# Altium PCB Module Board - OLD.PcbDoc (part 1 of 4) (continued)
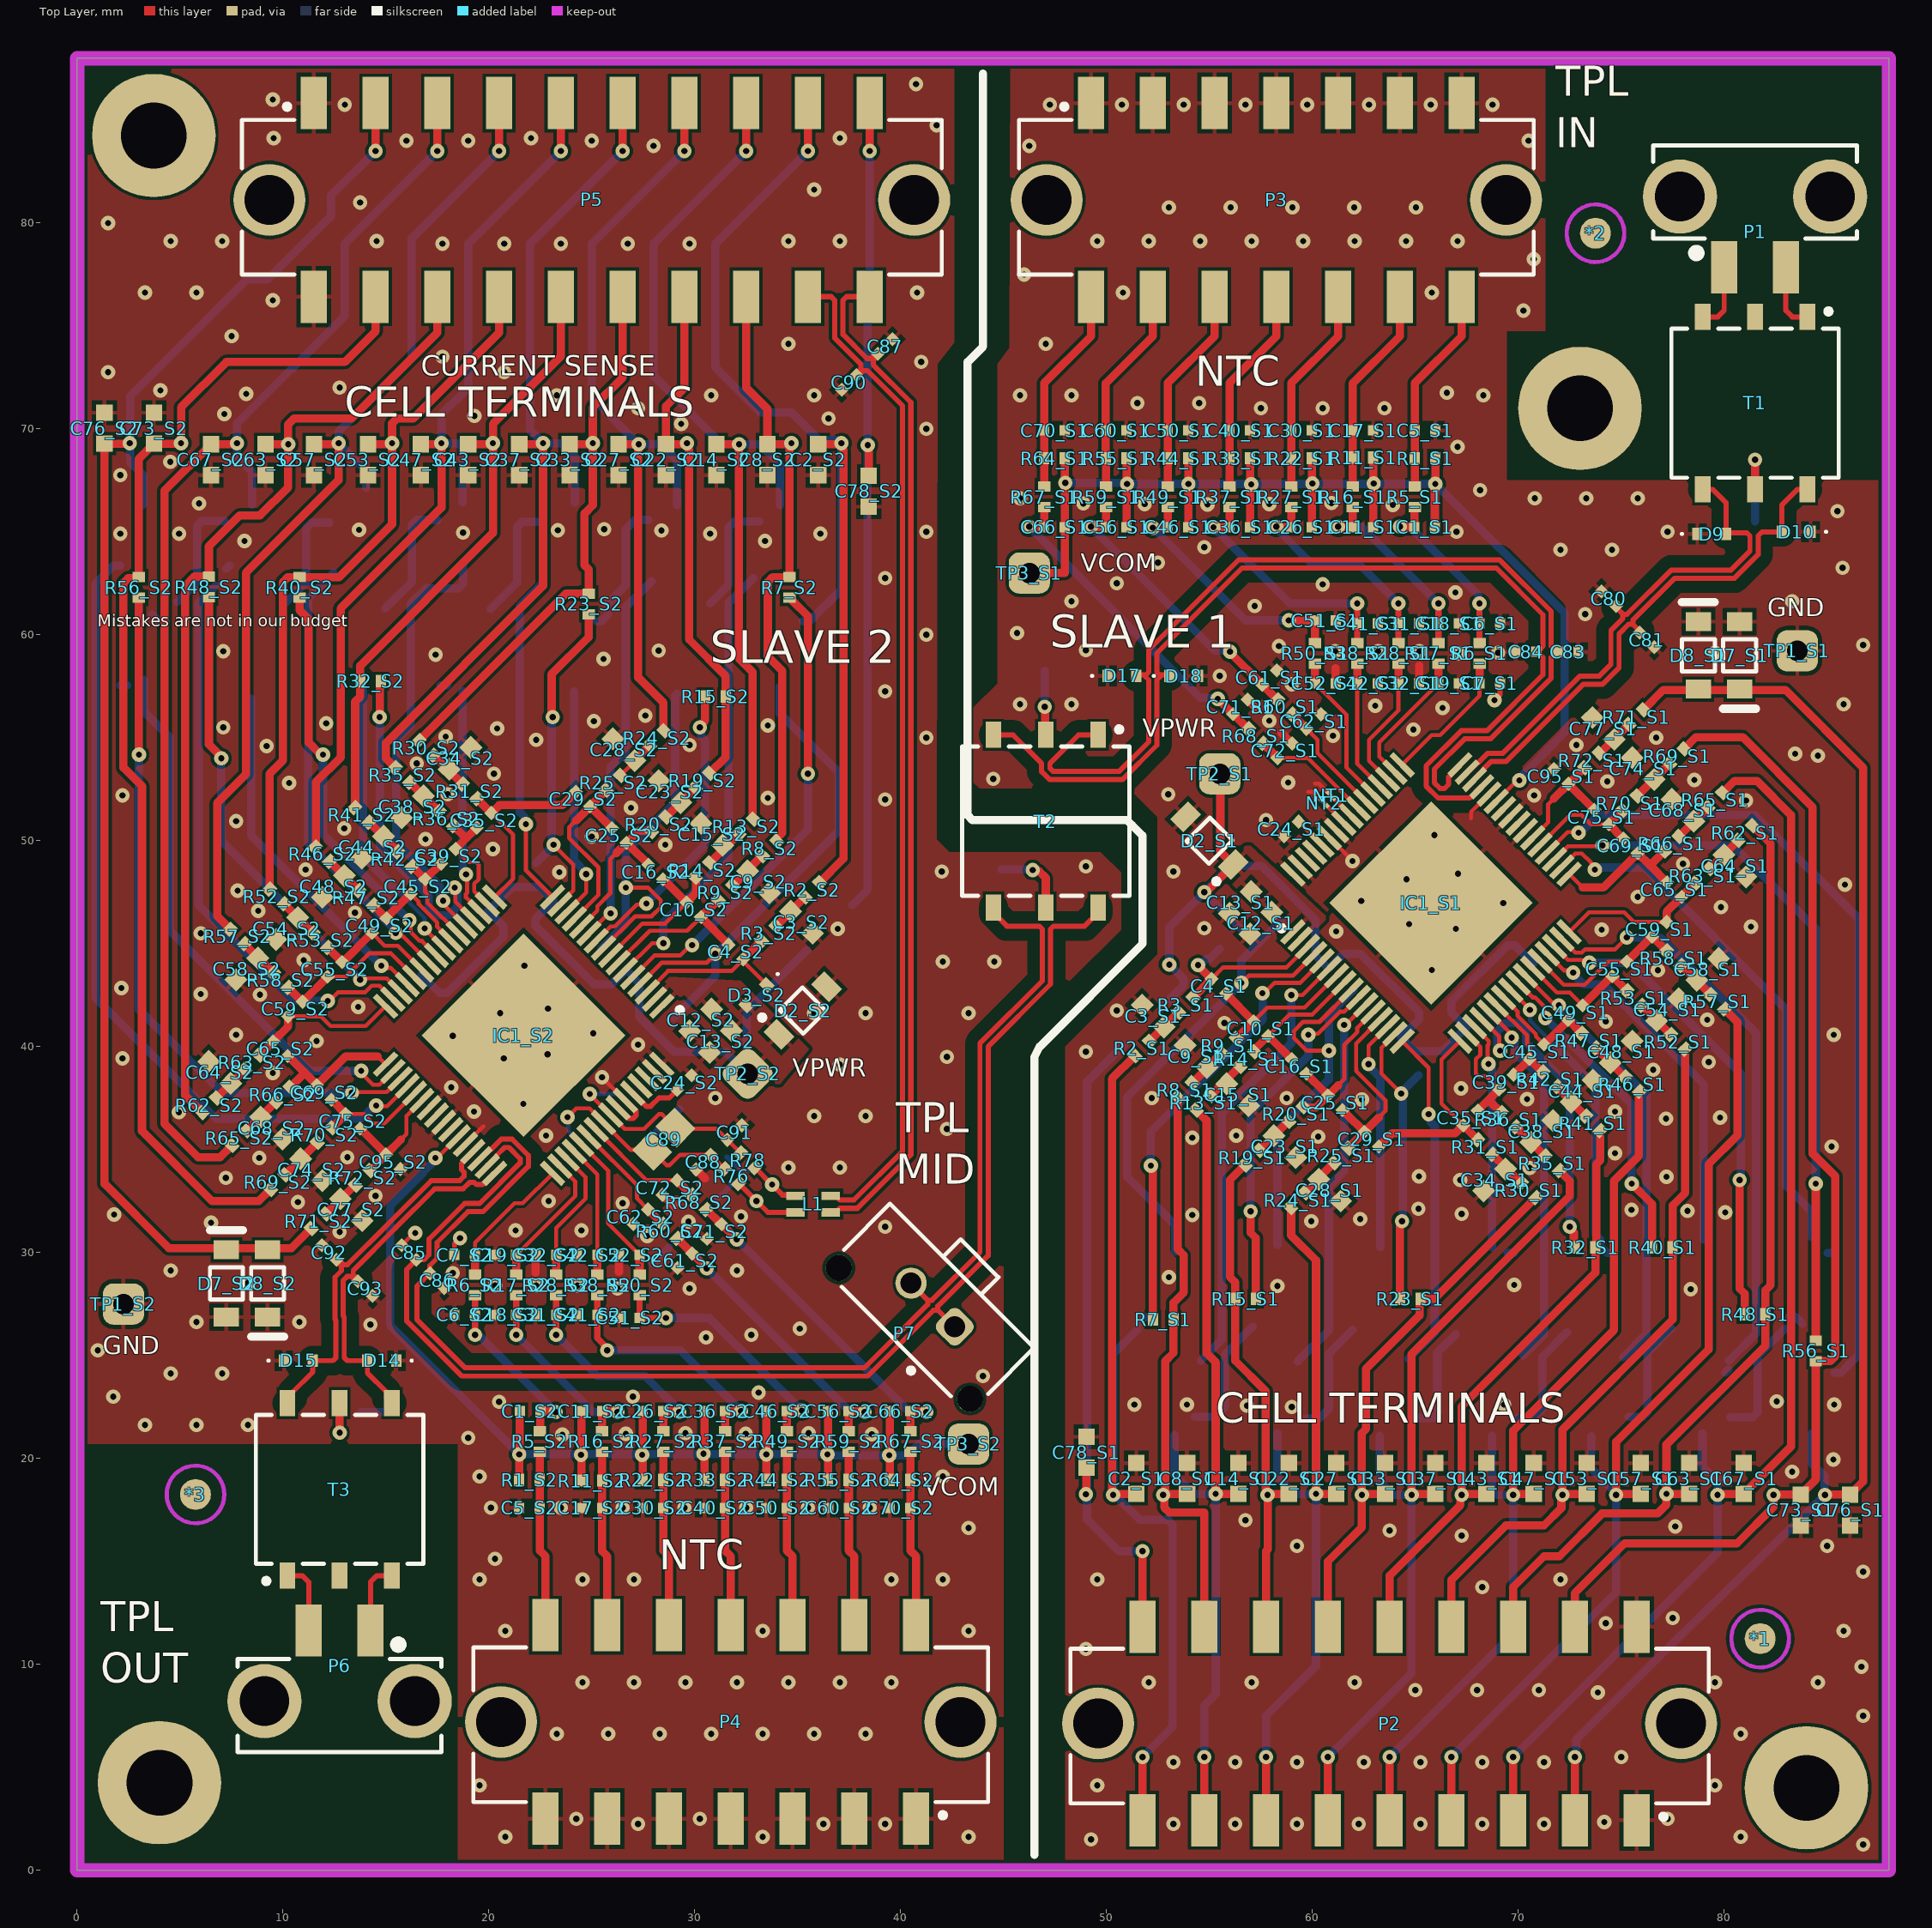
[diagram p0: Top Layer view]
## Components (designator, comment, footprint, x,y, rotation, side; value= is the part's Value field where it differs from the comment) (continued)
C35_S2 "CAP 0402 10nF X7R" WCAP-CSGP_0402_L1W0.5H0.5 19.771,50.988 r45 top value=10nF (schematic designator C35)
C36_S1 "CAP 0402 1.2nF X7R" WCAP-CSGP_0402_L1W0.5H0.5 56.475,65.225 r0 top value=1.2nF (schematic designator C36)
C36_S2 "CAP 0402 1.2nF X7R" WCAP-CSGP_0402_L1W0.5H0.5 30.975,22.3 r180 top value=1.2nF (schematic designator C36)
C37_S1 "CAP 0603 47nF X7R" WCAP-CSGP_0603_L1.6W0.8H0.8_Reflow 65.975,19.025 r270 top value=47nF (schematic designator C37)
C37_S2 "CAP 0603 47nF X7R" WCAP-CSGP_0603_L1.6W0.8H0.8_Reflow 21.475,68.5 r90 top value=47nF (schematic designator C37)
C38_S1 "CAP 0603 100nF X7R" WCAP-CSGP_0603_L1.6W0.8H0.8_Reflow 71.154,35.882 r225 top value=100nF (schematic designator C38)
C38_S2 "CAP 0603 100nF X7R" WCAP-CSGP_0603_L1.6W0.8H0.8_Reflow 16.296,51.643 r45 top value=100nF (schematic designator C38)
C39_S1 "CAP 0402 10nF X7R" WCAP-CSGP_0402_L1W0.5H0.5 69.421,38.279 r225 top value=10nF (schematic designator C39)
C39_S2 "CAP 0402 10nF X7R" WCAP-CSGP_0402_L1W0.5H0.5 18.029,49.246 r45 top value=10nF (schematic designator C39)
C40_S1 "CAP 0402 1.2nF X7R" WCAP-CSGP_0402_L1W0.5H0.5 56.475,69.925 r180 top value=1.2nF (schematic designator C40)
C40_S2 "CAP 0402 1.2nF X7R" WCAP-CSGP_0402_L1W0.5H0.5 30.975,17.6 r0 top value=1.2nF (schematic designator C40)
C41_S1 "CAP 0402 1.2nF X7R" WCAP-CSGP_0402_L1W0.5H0.5 62.681,60.55 r180 top value=1.2nF (schematic designator C41)
C41_S2 "CAP 0402 1.2nF X7R" WCAP-CSGP_0402_L1W0.5H0.5 24.769,26.975 r0 top value=1.2nF (schematic designator C41)
C42_S1 "CAP 0402 1.2nF X7R" WCAP-CSGP_0402_L1W0.5H0.5 62.681,57.646 r180 top value=1.2nF (schematic designator C42)
C42_S2 "CAP 0402 1.2nF X7R" WCAP-CSGP_0402_L1W0.5H0.5 24.769,29.879 r0 top value=1.2nF (schematic designator C42)
C43_S1 "CAP 0603 47nF X7R" WCAP-CSGP_0603_L1.6W0.8H0.8_Reflow 68.45,19.025 r270 top value=47nF (schematic designator C43)
C43_S2 "CAP 0603 47nF X7R" WCAP-CSGP_0603_L1.6W0.8H0.8_Reflow 19,68.5 r90 top value=47nF (schematic designator C43)
C44_S1 "CAP 0603 100nF X7R" WCAP-CSGP_0603_L1.6W0.8H0.8_Reflow 73.098,37.84 r225 top value=100nF (schematic designator C44)
C44_S2 "CAP 0603 100nF X7R" WCAP-CSGP_0603_L1.6W0.8H0.8_Reflow 14.352,49.685 r45 top value=100nF (schematic designator C44)
C45_S1 "CAP 0402 10nF X7R" WCAP-CSGP_0402_L1W0.5H0.5 70.9,39.75 r225 top value=10nF (schematic designator C45)
C45_S2 "CAP 0402 10nF X7R" WCAP-CSGP_0402_L1W0.5H0.5 16.55,47.775 r45 top value=10nF (schematic designator C45)
C46_S1 "CAP 0402 1.2nF X7R" WCAP-CSGP_0402_L1W0.5H0.5 53.475,65.225 r0 top value=1.2nF (schematic designator C46)
C46_S2 "CAP 0402 1.2nF X7R" WCAP-CSGP_0402_L1W0.5H0.5 33.975,22.3 r180 top value=1.2nF (schematic designator C46)
C47_S1 "CAP 0603 47nF X7R" WCAP-CSGP_0603_L1.6W0.8H0.8_Reflow 70.75,19.025 r270 top value=47nF (schematic designator C47)
C47_S2 "CAP 0603 47nF X7R" WCAP-CSGP_0603_L1.6W0.8H0.8_Reflow 16.7,68.5 r90 top value=47nF (schematic designator C47)
C48_S1 "CAP 0603 100nF X7R" WCAP-CSGP_0603_L1.6W0.8H0.8_Reflow 75.002,39.742 r225 top value=100nF (schematic designator C48)
C48_S2 "CAP 0603 100nF X7R" WCAP-CSGP_0603_L1.6W0.8H0.8_Reflow 12.448,47.783 r45 top value=100nF (schematic designator C48)
C49_S1 "CAP 0402 10nF X7R" WCAP-CSGP_0402_L1W0.5H0.5 72.775,41.65 r225 top value=10nF (schematic designator C49)
C49_S2 "CAP 0402 10nF X7R" WCAP-CSGP_0402_L1W0.5H0.5 14.675,45.875 r45 top value=10nF (schematic designator C49)
C50_S1 "CAP 0402 1.2nF X7R" WCAP-CSGP_0402_L1W0.5H0.5 53.475,69.925 r180 top value=1.2nF (schematic designator C50)
C50_S2 "CAP 0402 1.2nF X7R" WCAP-CSGP_0402_L1W0.5H0.5 33.975,17.6 r0 top value=1.2nF (schematic designator C50)
C51_S1 "CAP 0402 1.2nF X7R" WCAP-CSGP_0402_L1W0.5H0.5 60.629,60.697 r180 top value=1.2nF (schematic designator C51)
C51_S2 "CAP 0402 1.2nF X7R" WCAP-CSGP_0402_L1W0.5H0.5 26.821,26.828 r0 top value=1.2nF (schematic designator C51)
C52_S1 "CAP 0402 1.2nF X7R" WCAP-CSGP_0402_L1W0.5H0.5 60.629,57.648 r180 top value=1.2nF (schematic designator C52)
C52_S2 "CAP 0402 1.2nF X7R" WCAP-CSGP_0402_L1W0.5H0.5 26.821,29.877 r0 top value=1.2nF (schematic designator C52)
C53_S1 "CAP 0603 47nF X7R" WCAP-CSGP_0603_L1.6W0.8H0.8_Reflow 73.32,19.025 r270 top value=47nF (schematic designator C53)
C53_S2 "CAP 0603 47nF X7R" WCAP-CSGP_0603_L1.6W0.8H0.8_Reflow 14.13,68.5 r90 top value=47nF (schematic designator C53)
C54_S1 "CAP 0603 100nF X7R" WCAP-CSGP_0603_L1.6W0.8H0.8_Reflow 77.257,41.79 r225 top value=100nF (schematic designator C54)
C54_S2 "CAP 0603 100nF X7R" WCAP-CSGP_0603_L1.6W0.8H0.8_Reflow 10.193,45.735 r45 top value=100nF (schematic designator C54)
C55_S1 "CAP 0402 10nF X7R" WCAP-CSGP_0402_L1W0.5H0.5 74.925,43.775 r225 top value=10nF (schematic designator C55)
C55_S2 "CAP 0402 10nF X7R" WCAP-CSGP_0402_L1W0.5H0.5 12.525,43.75 r45 top value=10nF (schematic designator C55)
C56_S1 "CAP 0402 1.2nF X7R" WCAP-CSGP_0402_L1W0.5H0.5 50.475,65.225 r0 top value=1.2nF (schematic designator C56)
C56_S2 "CAP 0402 1.2nF X7R" WCAP-CSGP_0402_L1W0.5H0.5 36.975,22.3 r180 top value=1.2nF (schematic designator C56)
C57_S1 "CAP 0603 47nF X7R" WCAP-CSGP_0603_L1.6W0.8H0.8_Reflow 75.95,19.025 r270 top value=47nF (schematic designator C57)
C57_S2 "CAP 0603 47nF X7R" WCAP-CSGP_0603_L1.6W0.8H0.8_Reflow 11.5,68.5 r90 top value=47nF (schematic designator C57)
C58_S1 "CAP 0603 100nF X7R" WCAP-CSGP_0603_L1.6W0.8H0.8_Reflow 79.201,43.752 r225 top value=100nF (schematic designator C58)
C58_S2 "CAP 0603 100nF X7R" WCAP-CSGP_0603_L1.6W0.8H0.8_Reflow 8.249,43.773 r45 top value=100nF (schematic designator C58)
C59_S1 "CAP 0402 10nF X7R" WCAP-CSGP_0402_L1W0.5H0.5 76.85,45.697 r225 top value=10nF (schematic designator C59)
C59_S2 "CAP 0402 10nF X7R" WCAP-CSGP_0402_L1W0.5H0.5 10.6,41.828 r45 top value=10nF (schematic designator C59)
C60_S1 "CAP 0402 1.2nF X7R" WCAP-CSGP_0402_L1W0.5H0.5 50.462,69.925 r180 top value=1.2nF (schematic designator C60)
C60_S2 "CAP 0402 1.2nF X7R" WCAP-CSGP_0402_L1W0.5H0.5 36.988,17.6 r0 top value=1.2nF (schematic designator C60)
C61_S1 "CAP 0402 1.2nF X7R" WCAP-CSGP_0402_L1W0.5H0.5 57.925,57.925 r225 top value=1.2nF (schematic designator C61)
C61_S2 "CAP 0402 1.2nF X7R" WCAP-CSGP_0402_L1W0.5H0.5 29.525,29.6 r45 top value=1.2nF (schematic designator C61)
C62_S1 "CAP 0402 1.2nF X7R" WCAP-CSGP_0402_L1W0.5H0.5 60.072,55.786 r225 top value=1.2nF (schematic designator C62)
C62_S2 "CAP 0402 1.2nF X7R" WCAP-CSGP_0402_L1W0.5H0.5 27.378,31.739 r45 top value=1.2nF (schematic designator C62)
C63_S1 "CAP 0603 47nF X7R" WCAP-CSGP_0603_L1.6W0.8H0.8_Reflow 78.3,19.025 r270 top value=47nF (schematic designator C63)
C63_S2 "CAP 0603 47nF X7R" WCAP-CSGP_0603_L1.6W0.8H0.8_Reflow 9.15,68.5 r90 top value=47nF (schematic designator C63)
C64_S1 "CAP 0603 100nF X7R" WCAP-CSGP_0603_L1.6W0.8H0.8_Reflow 80.525,48.775 r135 top value=100nF (schematic designator C64)
C64_S2 "CAP 0603 100nF X7R" WCAP-CSGP_0603_L1.6W0.8H0.8_Reflow 6.925,38.75 r315 top value=100nF (schematic designator C64)
C65_S1 "CAP 0402 10nF X7R" WCAP-CSGP_0402_L1W0.5H0.5 77.575,47.625 r315 top value=10nF (schematic designator C65)
C65_S2 "CAP 0402 10nF X7R" WCAP-CSGP_0402_L1W0.5H0.5 9.875,39.9 r135 top value=10nF (schematic designator C65)
C66_S1 "CAP 0402 1.2nF X7R" WCAP-CSGP_0402_L1W0.5H0.5 47.475,65.225 r0 top value=1.2nF (schematic designator C66)
C66_S2 "CAP 0402 1.2nF X7R" WCAP-CSGP_0402_L1W0.5H0.5 39.975,22.3 r180 top value=1.2nF (schematic designator C66)
C67_S1 "CAP 0603 47nF X7R" WCAP-CSGP_0603_L1.6W0.8H0.8_Reflow 80.95,19.025 r270 top value=47nF (schematic designator C67)
C67_S2 "CAP 0603 47nF X7R" WCAP-CSGP_0603_L1.6W0.8H0.8_Reflow 6.5,68.5 r90 top value=47nF (schematic designator C67)
C68_S1 "CAP 0603 100nF X7R" WCAP-CSGP_0603_L1.6W0.8H0.8_Reflow 78,51.475 r315 top value=100nF (schematic designator C68)
C68_S2 "CAP 0603 100nF X7R" WCAP-CSGP_0603_L1.6W0.8H0.8_Reflow 9.45,36.05 r135 top value=100nF (schematic designator C68)
C69_S1 "CAP 0402 10nF X7R" WCAP-CSGP_0402_L1W0.5H0.5 75.45,49.75 r315 top value=10nF (schematic designator C69)
C69_S2 "CAP 0402 10nF X7R" WCAP-CSGP_0402_L1W0.5H0.5 12,37.775 r135 top value=10nF (schematic designator C69)
C70_S1 "CAP 0402 1.2nF X7R" WCAP-CSGP_0402_L1W0.5H0.5 47.475,69.925 r180 top value=1.2nF (schematic designator C70)
C70_S2 "CAP 0402 1.2nF X7R" WCAP-CSGP_0402_L1W0.5H0.5 39.975,17.6 r0 top value=1.2nF (schematic designator C70)
C71_S1 "CAP 0402 1.2nF X7R" WCAP-CSGP_0402_L1W0.5H0.5 56.5,56.5 r225 top value=1.2nF (schematic designator C71)
C71_S2 "CAP 0402 1.2nF X7R" WCAP-CSGP_0402_L1W0.5H0.5 30.95,31.025 r45 top value=1.2nF (schematic designator C71)
C72_S1 "CAP 0402 1.2nF X7R" WCAP-CSGP_0402_L1W0.5H0.5 58.658,54.371 r225 top value=1.2nF (schematic designator C72)
C72_S2 "CAP 0402 1.2nF X7R" WCAP-CSGP_0402_L1W0.5H0.5 28.792,33.154 r45 top value=1.2nF (schematic designator C72)
C73_S1 "CAP 0603 47nF X7R" WCAP-CSGP_0603_L1.6W0.8H0.8_Reflow 83.718,17.493 r90 top value=47nF (schematic designator C73)
C73_S2 "CAP 0603 47nF X7R" WCAP-CSGP_0603_L1.6W0.8H0.8_Reflow 3.732,70.032 r270 top value=47nF (schematic designator C73)
C74_S1 "CAP 0603 100nF X7R" WCAP-CSGP_0603_L1.6W0.8H0.8_Reflow 76.067,53.503 r315 top value=100nF (schematic designator C74)
C74_S2 "CAP 0603 100nF X7R" WCAP-CSGP_0603_L1.6W0.8H0.8_Reflow 11.383,34.022 r135 top value=100nF (schematic designator C74)
C75_S1 "CAP 0402 10nF X7R" WCAP-CSGP_0402_L1W0.5H0.5 74.05,51.15 r315 top value=10nF (schematic designator C75)
C75_S2 "CAP 0402 10nF X7R" WCAP-CSGP_0402_L1W0.5H0.5 13.4,36.375 r135 top value=10nF (schematic designator C75)
C76_S1 "CAP 0603 47nF X7R" WCAP-CSGP_0603_L1.6W0.8H0.8_Reflow 86.118,17.493 r90 top value=47nF (schematic designator C76)
C76_S2 "CAP 0603 47nF X7R" WCAP-CSGP_0603_L1.6W0.8H0.8_Reflow 1.332,70.032 r270 top value=47nF (schematic designator C76)
C77_S1 "CAP 0603 100nF X7R" WCAP-CSGP_0603_L1.6W0.8H0.8_Reflow 74.133,55.45 r315 top value=100nF (schematic designator C77)
C77_S2 "CAP 0603 100nF X7R" WCAP-CSGP_0603_L1.6W0.8H0.8_Reflow 13.317,32.075 r135 top value=100nF (schematic designator C77)
C78_S1 "CAP 0603 47nF X7R" WCAP-CSGP_0603_L1.6W0.8H0.8_Reflow 49.025,20.3 r270 top value=47nF (schematic designator C78)
C78_S2 "CAP 0603 47nF X7R" WCAP-CSGP_0603_L1.6W0.8H0.8_Reflow 38.45,66.975 r90 top value=47nF (schematic designator C78)
C80 "CAP 0402 220pF X7R" WCAP-CSGP_0402_L1W0.5H0.5 74.394,61.758 r315 top value=220pF
C81 "CAP 0402 220pF X7R" WCAP-CSGP_0402_L1W0.5H0.5 76.25,59.75 r135 top value=220pF
C82 "CAP 0402 10nF X7R" WCAP-CSGP_0402_L1W0.5H0.5 81.5,65 r90 bottom value=10nF
C83 "CAP 0402 220pF X7R" WCAP-CSGP_0402_L1W0.5H0.5 72.425,59.175 r0 top value=220pF
C84 "CAP 0402 220pF X7R" WCAP-CSGP_0402_L1W0.5H0.5 70.375,59.175 r0 top value=220pF
C85 "CAP 0402 220pF X7R" WCAP-CSGP_0402_L1W0.5H0.5 16.125,30 r315 top value=220pF
C86 "CAP 0402 220pF X7R" WCAP-CSGP_0402_L1W0.5H0.5 17.486,28.639 r135 top value=220pF
C87 "CAP 0402 47nF X7R" WCAP-CSGP_0402_L1W0.5H0.5 39.25,74 r225 top value=47nF
C88 "CAP 0402 47nF X7R" WCAP-CSGP_0402_L1W0.5H0.5 30.421,34.389 r45 top value=47nF
C89 "C0805C685K8PACTU" CAPC2013X145X50NL20T25 28.5,35.5 r225 top
C90 "CAP 0402 47nF X7R" WCAP-CSGP_0402_L1W0.5H0.5 37.5,72.25 r45 top value=47nF
C91 "CAP 0402 47nF X7R" WCAP-CSGP_0402_L1W0.5H0.5 31.935,35.828 r225 top value=47nF
C92 "CAP 0402 220pF X7R" WCAP-CSGP_0402_L1W0.5H0.5 12.25,30 r315 top value=220pF
C93 "CAP 0402 220pF X7R" WCAP-CSGP_0402_L1W0.5H0.5 14,28.25 r135 top value=220pF
C94 "CAP 0402 10nF X7R" WCAP-CSGP_0402_L1W0.5H0.5 15.25,22.25 r180 bottom value=10nF
C95_S1 "CAP 0402 10nF X7R" WCAP-CSGP_0402_L1W0.5H0.5 72.093,53.12 r315 top value=10nF (schematic designator C95)
C95_S2 "CAP 0402 10nF X7R" WCAP-CSGP_0402_L1W0.5H0.5 15.357,34.405 r135 top value=10nF (schematic designator C95)
D1_S1 "MMSZ5250BT1G" ONSC-SOD-123-2-425-04_V 63.15,41.6 r135 bottom (schematic designator D1)
D1_S2 "MMSZ5250BT1G" ONSC-SOD-123-2-425-04_V 24.3,45.925 r315 bottom (schematic designator D1)
D2_S1 "MMSZ5267BT1G" ONSC-SOD-123-2-425-04_V 55,50 r135 top (schematic designator D2)
D2_S2 "MMSZ5267BT1G" ONSC-SOD-123-2-425-04_V 35.25,41.75 r45 top (schematic designator D2)
D3_S1 "PESD5V0V1BB,115" PESD5V0V1BB115 56,45.25 r45 bottom (schematic designator D3)
D3_S2 "PESD5V0V1BB,115" PESD5V0V1BB115 33,42.5 r225 top (schematic designator D3)
D4_S1 "MMSZ5260BT1G" ONSC-SOD-123-2-425-04_V 69.575,42.875 r225 bottom (schematic designator D4)
D4_S2 "MMSZ5260BT1G" ONSC-SOD-123-2-425-04_V 17.875,44.65 r45 bottom (schematic designator D4)
D5_S1 "SZMMSZ5255BT1G" ONSC-SOD-123-2-425-04_V 66.319,39.769 r225 bottom (schematic designator D5)
D5_S2 "SZMMSZ5255BT1G" ONSC-SOD-123-2-425-04_V 21.131,47.756 r45 bottom (schematic designator D5)
D6_S1 "MMSZ5237BT1G" ONSC-SOD-123-2-425-04_V 59.625,44.95 r135 bottom (schematic designator D6)
D6_S2 "MMSZ5237BT1G" ONSC-SOD-123-2-425-04_V 27.825,42.575 r315 bottom (schematic designator D6)
D7_S1 "MBR0520LT1G" ONSC-SOD-123-2-425-04_V 80.75,59 r270 top (schematic designator D7)
D7_S2 "MBR0520LT1G" ONSC-SOD-123-2-425-04_V 7.25,28.5 r90 top (schematic designator D7)
D8_S1 "MBR0520LT1G" ONSC-SOD-123-2-425-04_V 78.75,59 r90 top (schematic designator D8)
D8_S2 "MBR0520LT1G" ONSC-SOD-123-2-425-04_V 9.25,28.5 r270 top (schematic designator D8)
D9 "PESD5V0V1BB,115" PESD5V0V1BB115 79.4,64.9 r0 top
D10 "PESD5V0V1BB,115" PESD5V0V1BB115 83.5,65 r180 top
D11 "MMSZ4679T1G" ONSC-SOD-123-2-425-04_V 29.9,31.4 r225 bottom
D12 "MMSZ4679T1G" ONSC-SOD-123-2-425-04_V 26.812,28.303 r45 bottom
D13 "MMSZ4679T1G" ONSC-SOD-123-2-425-04_V 30.4,35.8 r135 bottom
D14 "PESD5V0V1BB,115" PESD5V0V1BB115 14.8,24.75 r180 top
D15 "PESD5V0V1BB,115" PESD5V0V1BB115 10.75,24.75 r0 top
D16 "MMSZ4679T1G" ONSC-SOD-123-2-425-04_V 27,34.7 r45 bottom
D17 "PESD5V0V1BB,115" PESD5V0V1BB115 50.75,58 r0 top
D18 "PESD5V0V1BB,115" PESD5V0V1BB115 53.75,58 r0 top
IC1_S1 "MC33771CTP1AE" QFP50P1200X1200X160-65N 65.762,46.972 r45 top (schematic designator IC1)
IC1_S2 "MC33771CTP1AE" QFP50P1200X1200X160-65N 21.688,40.553 r225 top (schematic designator IC1)
L1 "784231091" WE-CNSA_0805 35.75,32.35 r180 top
NT1 "Net Tie 0.2mm" NETTIE_0.2mm 60.902,52.186 r135 top net-tie
NT2 "Net Tie 0.2mm" NETTIE_0.2mm 60.559,51.841 r135 top net-tie
P1 "662302135922" 662302135922 81.5,81.5 r180 top
P2 "662018235922" 662018235922 63.75,7 r0 top
P3 "662014235922" 662014235922 58.25,81.25 r180 top
P4 "662014235922" 662014235922 31.75,7.07 r0 top
P5 "662020235922" 662020235922 25,81.25 r180 top
P6 "662302135922" 662302135922 12.75,8 r0 top
P7 "66200211122" 66200211122 41.388,27.274 r315 top
R1_S1 "RES 0402 6.8kR 1%" FP0402 65.475,68.575 r180 top value=6.8kR (schematic designator R1)
R1_S2 "RES 0402 6.8kR 1%" FP0402 21.975,18.95 r0 top value=6.8kR (schematic designator R1)
R2_S1 "RES 0402 3kR 1%" FP0402 51.736,39.909 r225 top value=3kR (schematic designator R2)
R2_S2 "RES 0402 3kR 1%" FP0402 35.714,47.616 r45 top value=3kR (schematic designator R2)
R3_S1 "RES 0402 2kR 1%" FP0402 53.858,42.03 r225 top value=2kR (schematic designator R3)
R3_S2 "RES 0402 2kR 1%" FP0402 33.592,45.495 r45 top value=2kR (schematic designator R3)
R4_S1 "RES 1206 75 1%" RES_SM1206_YAGEORC_N 52.2,28.425 r90 bottom value=75 (schematic designator R4)
R4_S2 "RES 1206 75 1%" RES_SM1206_YAGEORC_N 35.25,59.1 r270 bottom value=75 (schematic designator R4)
R5_S1 "RES 0402 3.3kR 1%" FP0402 64.975,66.7 r90 top value=3.3kR (schematic designator R5)
R5_S2 "RES 0402 3.3kR 1%" FP0402 22.475,20.825 r270 top value=3.3kR (schematic designator R5)
R6_S1 "RES 0402 3.3kR 1%" FP0402 68.121,59.105 r90 top value=3.3kR (schematic designator R6)
R6_S2 "RES 0402 3.3kR 1%" FP0402 19.329,28.42 r270 top value=3.3kR (schematic designator R6)
R7_S1 "RES 0402 3.3R 1%" FP0402 52.75,26.75 r0 top value=3.3R (schematic designator R7)
R7_S2 "RES 0402 3.3R 1%" FP0402 34.6,62.3 r90 top value=3.3R (schematic designator R7)
R8_S1 "RES 0402 3kR 1%" FP0402 53.816,37.893 r225 top value=3kR (schematic designator R8)
R8_S2 "RES 0402 3kR 1%" FP0402 33.634,49.632 r45 top value=3kR (schematic designator R8)
R9_S1 "RES 0402 2kR 1%" FP0402 55.95,40.05 r225 top value=2kR (schematic designator R9)
R9_S2 "RES 0402 2kR 1%" FP0402 31.5,47.475 r45 top value=2kR (schematic designator R9)
R10_S1 "RES 1206 75 1%" RES_SM1206_YAGEORC_N 54.4,28.425 r90 bottom value=75 (schematic designator R10)
R10_S2 "RES 1206 75 1%" RES_SM1206_YAGEORC_N 33.05,59.1 r270 bottom value=75 (schematic designator R10)
R11_S1 "RES 0402 6.8kR 1%" FP0402 62.45,68.6 r180 top value=6.8kR (schematic designator R11)
R11_S2 "RES 0402 6.8kR 1%" FP0402 25,18.925 r0 top value=6.8kR (schematic designator R11)
R12_S1 "RES 1206 75 1%" RES_SM1206_YAGEORC_N 52.2,22.614 r90 bottom value=75 (schematic designator R12)
R12_S2 "RES 1206 75 1%" RES_SM1206_YAGEORC_N 35.25,64.911 r270 bottom value=75 (schematic designator R12)
R13_S1 "RES 0402 3kR 1%" FP0402 54.708,37.272 r225 top value=3kR (schematic designator R13)
R13_S2 "RES 0402 3kR 1%" FP0402 32.496,50.696 r45 top value=3kR (schematic designator R13)
R14_S1 "RES 0402 2kR 1%" FP0402 56.829,39.394 r225 top value=2kR (schematic designator R14)
R14_S2 "RES 0402 2kR 1%" FP0402 30.375,48.575 r45 top value=2kR (schematic designator R14)
R15_S1 "RES 0402 3.3R 1%" FP0402 56.75,27.75 r180 top value=3.3R (schematic designator R15)
R15_S2 "RES 0402 3.3R 1%" FP0402 31,57 r0 top value=3.3R (schematic designator R15)
R16_S1 "RES 0402 3.3kR 1%" FP0402 61.95,66.7 r90 top value=3.3kR (schematic designator R16)
R16_S2 "RES 0402 3.3kR 1%" FP0402 25.5,20.825 r270 top value=3.3kR (schematic designator R16)
R17_S1 "RES 0402 3.3kR 1%" FP0402 66.121,59.105 r90 top value=3.3kR (schematic designator R17)
R17_S2 "RES 0402 3.3kR 1%" FP0402 21.329,28.42 r270 top value=3.3kR (schematic designator R17)
R18_S1 "RES 1206 75 1%" RES_SM1206_YAGEORC_N 54.4,22.614 r90 bottom value=75 (schematic designator R18)
R18_S2 "RES 1206 75 1%" RES_SM1206_YAGEORC_N 33.05,64.911 r270 bottom value=75 (schematic designator R18)
R19_S1 "RES 0402 3kR 1%" FP0402 57.079,34.604 r225 top value=3kR (schematic designator R19)
R19_S2 "RES 0402 3kR 1%" FP0402 30.371,52.921 r45 top value=3kR (schematic designator R19)
R20_S1 "RES 0402 2kR 1%" FP0402 59.2,36.725 r225 top value=2kR (schematic designator R20)
R20_S2 "RES 0402 2kR 1%" FP0402 28.25,50.8 r45 top value=2kR (schematic designator R20)
R21_S1 "RES 1206 75 1%" RES_SM1206_YAGEORC_N 57.2,28.425 r90 bottom value=75 (schematic designator R21)
R21_S2 "RES 1206 75 1%" RES_SM1206_YAGEORC_N 30.25,59.1 r270 bottom value=75 (schematic designator R21)
R22_S1 "RES 0402 6.8kR 1%" FP0402 59.475,68.575 r180 top value=6.8kR (schematic designator R22)
R22_S2 "RES 0402 6.8kR 1%" FP0402 27.975,18.95 r0 top value=6.8kR (schematic designator R22)
R23_S1 "RES 0402 3.3R 1%" FP0402 64.75,27.75 r0 top value=3.3R (schematic designator R23)
R23_S2 "RES 0402 3.3R 1%" FP0402 24.85,61.5 r90 top value=3.3R (schematic designator R23)
R24_S1 "RES 0402 3kR 1%" FP0402 59.288,32.543 r225 top value=3kR (schematic designator R24)
R24_S2 "RES 0402 3kR 1%" FP0402 28.162,54.982 r45 top value=3kR (schematic designator R24)
R25_S1 "RES 0402 2kR 1%" FP0402 61.404,34.716 r225 top value=2kR (schematic designator R25)
R25_S2 "RES 0402 2kR 1%" FP0402 26.045,52.809 r45 top value=2kR (schematic designator R25)
R26_S1 "RES 1206 75 1%" RES_SM1206_YAGEORC_N 59.4,28.425 r90 bottom value=75 (schematic designator R26)
R26_S2 "RES 1206 75 1%" RES_SM1206_YAGEORC_N 28.05,59.1 r270 bottom value=75 (schematic designator R26)
R27_S1 "RES 0402 3.3kR 1%" FP0402 58.975,66.7 r90 top value=3.3kR (schematic designator R27)
R27_S2 "RES 0402 3.3kR 1%" FP0402 28.475,20.825 r270 top value=3.3kR (schematic designator R27)
R28_S1 "RES 0402 3.3kR 1%" FP0402 64.181,59.105 r90 top value=3.3kR (schematic designator R28)
R28_S2 "RES 0402 3.3kR 1%" FP0402 23.269,28.42 r270 top value=3.3kR (schematic designator R28)
R29_S1 "RES 1206 75 1%" RES_SM1206_YAGEORC_N 57.2,22.614 r90 bottom value=75 (schematic designator R29)
R29_S2 "RES 1206 75 1%" RES_SM1206_YAGEORC_N 30.25,64.911 r270 bottom value=75 (schematic designator R29)
R30_S1 "RES 0402 3kR 1%" FP0402 70.5,33.025 r315 top value=3kR (schematic designator R30)
R30_S2 "RES 0402 3kR 1%" FP0402 16.95,54.5 r135 top value=3kR (schematic designator R30)
R31_S1 "RES 0402 2kR 1%" FP0402 68.386,35.122 r315 top value=2kR (schematic designator R31)
R31_S2 "RES 0402 2kR 1%" FP0402 19.064,52.403 r135 top value=2kR (schematic designator R31)
R32_S1 "RES 0402 3.3R 1%" FP0402 73.25,30.25 r0 top value=3.3R (schematic designator R32)
R32_S2 "RES 0402 3.3R 1%" FP0402 14.25,57.75 r180 top value=3.3R (schematic designator R32)
R33_S1 "RES 0402 6.8kR 1%" FP0402 56.475,68.575 r180 top value=6.8kR (schematic designator R33)
R33_S2 "RES 0402 6.8kR 1%" FP0402 30.975,18.95 r0 top value=6.8kR (schematic designator R33)
R34_S1 "RES 1206 75 1%" RES_SM1206_YAGEORC_N 59.4,22.614 r90 bottom value=75 (schematic designator R34)
R34_S2 "RES 1206 75 1%" RES_SM1206_YAGEORC_N 28.05,64.911 r270 bottom value=75 (schematic designator R34)
R35_S1 "RES 0402 3kR 1%" FP0402 71.646,34.329 r315 top value=3kR (schematic designator R35)
R35_S2 "RES 0402 3kR 1%" FP0402 15.804,53.196 r135 top value=3kR (schematic designator R35)
R36_S1 "RES 0402 2kR 1%" FP0402 69.525,36.45 r315 top value=2kR (schematic designator R36)
R36_S2 "RES 0402 2kR 1%" FP0402 17.925,51.075 r135 top value=2kR (schematic designator R36)
R37_S1 "RES 0402 3.3kR 1%" FP0402 55.975,66.7 r90 top value=3.3kR (schematic designator R37)
R37_S2 "RES 0402 3.3kR 1%" FP0402 31.475,20.825 r270 top value=3.3kR (schematic designator R37)
R38_S1 "RES 0402 3.3kR 1%" FP0402 62.181,59.105 r90 top value=3.3kR (schematic designator R38)
R38_S2 "RES 0402 3.3kR 1%" FP0402 25.269,28.42 r270 top value=3.3kR (schematic designator R38)
R39_S1 "RES 1206 75 1%" RES_SM1206_YAGEORC_N 62.2,28.425 r90 bottom value=75 (schematic designator R39)
R39_S2 "RES 1206 75 1%" RES_SM1206_YAGEORC_N 25.25,59.1 r270 bottom value=75 (schematic designator R39)
R40_S1 "RES 0402 3.3R 1%" FP0402 77,30.25 r0 top value=3.3R (schematic designator R40)
R40_S2 "RES 0402 3.3R 1%" FP0402 10.8,62.3 r90 top value=3.3R (schematic designator R40)
R41_S1 "RES 0402 3kR 1%" FP0402 73.625,36.275 r315 top value=3kR (schematic designator R41)
R41_S2 "RES 0402 3kR 1%" FP0402 13.825,51.25 r135 top value=3kR (schematic designator R41)
R42_S1 "RES 0402 2kR 1%" FP0402 71.533,38.411 r315 top value=2kR (schematic designator R42)
R42_S2 "RES 0402 2kR 1%" FP0402 15.917,49.114 r135 top value=2kR (schematic designator R42)
R43_S1 "RES 1206 75 1%" RES_SM1206_YAGEORC_N 64.4,28.425 r90 bottom value=75 (schematic designator R43)
R43_S2 "RES 1206 75 1%" RES_SM1206_YAGEORC_N 23.05,59.1 r270 bottom value=75 (schematic designator R43)
R44_S1 "RES 0402 6.8kR 1%" FP0402 53.475,68.575 r180 top value=6.8kR (schematic designator R44)
R44_S2 "RES 0402 6.8kR 1%" FP0402 33.975,18.95 r0 top value=6.8kR (schematic designator R44)
R45_S1 "RES 1206 75 1%" RES_SM1206_YAGEORC_N 62.2,22.614 r90 bottom value=75 (schematic designator R45)
R45_S2 "RES 1206 75 1%" RES_SM1206_YAGEORC_N 25.25,64.911 r270 bottom value=75 (schematic designator R45)
R46_S1 "RES 0402 3kR 1%" FP0402 75.534,38.178 r315 top value=3kR (schematic designator R46)
R46_S2 "RES 0402 3kR 1%" FP0402 11.916,49.347 r135 top value=3kR (schematic designator R46)
R47_S1 "RES 0402 2kR 1%" FP0402 73.413,40.299 r315 top value=2kR (schematic designator R47)
R47_S2 "RES 0402 2kR 1%" FP0402 14.037,47.226 r135 top value=2kR (schematic designator R47)
R48_S1 "RES 0402 3.3R 1%" FP0402 81.5,27 r0 top value=3.3R (schematic designator R48)
R48_S2 "RES 0402 3.3R 1%" FP0402 6.4,62.325 r90 top value=3.3R (schematic designator R48)
R49_S1 "RES 0402 3.3kR 1%" FP0402 52.975,66.7 r90 top value=3.3kR (schematic designator R49)
R49_S2 "RES 0402 3.3kR 1%" FP0402 34.475,20.825 r270 top value=3.3kR (schematic designator R49)
R50_S1 "RES 0402 3.3kR 1%" FP0402 60.125,59.105 r90 top value=3.3kR (schematic designator R50)
R50_S2 "RES 0402 3.3kR 1%" FP0402 27.325,28.42 r270 top value=3.3kR (schematic designator R50)
R51_S1 "RES 1206 75 1%" RES_SM1206_YAGEORC_N 64.4,22.614 r90 bottom value=75 (schematic designator R51)
R51_S2 "RES 1206 75 1%" RES_SM1206_YAGEORC_N 23.05,64.911 r270 bottom value=75 (schematic designator R51)
R52_S1 "RES 0402 3kR 1%" FP0402 77.753,40.24 r315 top value=3kR (schematic designator R52)
R52_S2 "RES 0402 3kR 1%" FP0402 9.697,47.286 r135 top value=3kR (schematic designator R52)
R53_S1 "RES 0402 2kR 1%" FP0402 75.632,42.361 r315 top value=2kR (schematic designator R53)
R53_S2 "RES 0402 2kR 1%" FP0402 11.818,45.164 r135 top value=2kR (schematic designator R53)
R54_S1 "RES 1206 75 1%" RES_SM1206_YAGEORC_N 67.6,28.425 r90 bottom value=75 (schematic designator R54)
R54_S2 "RES 1206 75 1%" RES_SM1206_YAGEORC_N 19.85,59.1 r270 bottom value=75 (schematic designator R54)
R55_S1 "RES 0402 6.8kR 1%" FP0402 50.475,68.575 r180 top value=6.8kR (schematic designator R55)
R55_S2 "RES 0402 6.8kR 1%" FP0402 36.975,18.95 r0 top value=6.8kR (schematic designator R55)
R56_S1 "RES 0402 3.3R 1%" FP0402 84.45,25.225 r270 top value=3.3R (schematic designator R56)
R56_S2 "RES 0402 3.3R 1%" FP0402 3,62.3 r90 top value=3.3R (schematic designator R56)
R57_S1 "RES 0402 3kR 1%" FP0402 79.671,42.179 r315 top value=3kR (schematic designator R57)
R57_S2 "RES 0402 3kR 1%" FP0402 7.779,45.346 r135 top value=3kR (schematic designator R57)
R58_S1 "RES 0402 2kR 1%" FP0402 77.55,44.3 r315 top value=2kR (schematic designator R58)
R58_S2 "RES 0402 2kR 1%" FP0402 9.9,43.225 r135 top value=2kR (schematic designator R58)
R59_S1 "RES 0402 3.3kR 1%" FP0402 49.975,66.7 r90 top value=3.3kR (schematic designator R59)
R59_S2 "RES 0402 3.3kR 1%" FP0402 37.475,20.825 r270 top value=3.3kR (schematic designator R59)
R60_S1 "RES 0402 3.3kR 1%" FP0402 58.658,56.493 r135 top value=3.3kR (schematic designator R60)
R60_S2 "RES 0402 3.3kR 1%" FP0402 28.792,31.032 r315 top value=3.3kR (schematic designator R60)
R61_S1 "RES 1206 75 1%" RES_SM1206_YAGEORC_N 69.8,28.425 r90 bottom value=75 (schematic designator R61)
R61_S2 "RES 1206 75 1%" RES_SM1206_YAGEORC_N 17.65,59.1 r270 bottom value=75 (schematic designator R61)
R62_S1 "RES 0402 3kR 1%" FP0402 81.028,50.372 r45 top value=3kR (schematic designator R62)
R62_S2 "RES 0402 3kR 1%" FP0402 6.422,37.153 r225 top value=3kR (schematic designator R62)
R63_S1 "RES 0402 2kR 1%" FP0402 78.95,48.3 r45 top value=2kR (schematic designator R63)
R63_S2 "RES 0402 2kR 1%" FP0402 8.5,39.225 r225 top value=2kR (schematic designator R63)
R64_S1 "RES 0402 6.8kR 1%" FP0402 47.475,68.575 r180 top value=6.8kR (schematic designator R64)
R64_S2 "RES 0402 6.8kR 1%" FP0402 39.975,18.95 r0 top value=6.8kR (schematic designator R64)
R65_S1 "RES 0402 3kR 1%" FP0402 79.571,51.971 r45 top value=3kR (schematic designator R65)
R65_S2 "RES 0402 3kR 1%" FP0402 7.879,35.554 r225 top value=3kR (schematic designator R65)
R66_S1 "RES 0402 2kR 1%" FP0402 77.45,49.85 r45 top value=2kR (schematic designator R66)
R66_S2 "RES 0402 2kR 1%" FP0402 10,37.675 r225 top value=2kR (schematic designator R66)
R67_S1 "RES 0402 3.3kR 1%" FP0402 46.975,66.7 r90 top value=3.3kR (schematic designator R67)
R67_S2 "RES 0402 3.3kR 1%" FP0402 40.475,20.825 r270 top value=3.3kR (schematic designator R67)
R68_S1 "RES 0402 3.3kR 1%" FP0402 57.243,55.078 r135 top value=3.3kR (schematic designator R68)
R68_S2 "RES 0402 3.3kR 1%" FP0402 30.207,32.447 r315 top value=3.3kR (schematic designator R68)
R69_S1 "RES 0402 3kR 1%" FP0402 77.7,54.1 r45 top value=3kR (schematic designator R69)
R69_S2 "RES 0402 3kR 1%" FP0402 9.75,33.425 r225 top value=3kR (schematic designator R69)
R70_S1 "RES 0402 2kR 1%" FP0402 75.425,51.825 r45 top value=2kR (schematic designator R70)
R70_S2 "RES 0402 2kR 1%" FP0402 12.025,35.7 r225 top value=2kR (schematic designator R70)
R71_S1 "RES 0402 3kR 1%" FP0402 75.725,56 r45 top value=3kR (schematic designator R71)
R71_S2 "RES 0402 3kR 1%" FP0402 11.725,31.525 r225 top value=3kR (schematic designator R71)
R72_S1 "RES 0402 2kR 1%" FP0402 73.575,53.9 r45 top value=2kR (schematic designator R72)
R72_S2 "RES 0402 2kR 1%" FP0402 13.875,33.625 r225 top value=2kR (schematic designator R72)
R73_S1 "RES 1206 75 1%" RES_SM1206_YAGEORC_N 67.6,22.614 r90 bottom value=75 (schematic designator R73)
R73_S2 "RES 1206 75 1%" RES_SM1206_YAGEORC_N 19.85,64.911 r270 bottom value=75 (schematic designator R73)
R74 "RES 0402 150R 1%" FP0402 81.5,67 r90 bottom value=150R
R75 "RES 0402 150R 1%" FP0402 47.5,58.25 r0 bottom value=150R
R76 "RES 0402 127R 1%" FP0402 31.794,33.706 r135 top value=127R
R77 "RES 0402 150R 1%" FP0402 44.4,48.6 r0 bottom value=150R
R78 "RES 0402 127R 1%" FP0402 32.571,34.484 r135 top value=127R
R79 "RES 0402 150R 1%" FP0402 13.25,22.25 r180 bottom value=150R
R80_S1 "RES 1206 75 1%" RES_SM1206_YAGEORC_N 69.8,22.614 r90 bottom value=75 (schematic designator R80)
R80_S2 "RES 1206 75 1%" RES_SM1206_YAGEORC_N 17.65,64.911 r270 bottom value=75 (schematic designator R80)
R81_S1 "RES 1206 75 1%" RES_SM1206_YAGEORC_N 72.45,28.425 r90 bottom value=75 (schematic designator R81)
R81_S2 "RES 1206 75 1%" RES_SM1206_YAGEORC_N 15,59.1 r270 bottom value=75 (schematic designator R81)
R82_S1 "RES 1206 75 1%" RES_SM1206_YAGEORC_N 74.65,28.425 r90 bottom value=75 (schematic designator R82)
R82_S2 "RES 1206 75 1%" RES_SM1206_YAGEORC_N 12.8,59.1 r270 bottom value=75 (schematic designator R82)
R83_S1 "RES 1206 75 1%" RES_SM1206_YAGEORC_N 72.45,22.614 r90 bottom value=75 (schematic designator R83)
R83_S2 "RES 1206 75 1%" RES_SM1206_YAGEORC_N 15,64.911 r270 bottom value=75 (schematic designator R83)
R84_S1 "RES 1206 75 1%" RES_SM1206_YAGEORC_N 74.65,22.614 r90 bottom value=75 (schematic designator R84)
R84_S2 "RES 1206 75 1%" RES_SM1206_YAGEORC_N 12.8,64.911 r270 bottom value=75 (schematic designator R84)
R85_S1 "RES 1206 75 1%" RES_SM1206_YAGEORC_N 77.85,28.425 r90 bottom value=75 (schematic designator R85)
R85_S2 "RES 1206 75 1%" RES_SM1206_YAGEORC_N 9.6,59.1 r270 bottom value=75 (schematic designator R85)
R86_S1 "RES 1206 75 1%" RES_SM1206_YAGEORC_N 80.05,28.425 r90 bottom value=75 (schematic designator R86)
R86_S2 "RES 1206 75 1%" RES_SM1206_YAGEORC_N 7.4,59.1 r270 bottom value=75 (schematic designator R86)
R87_S1 "RES 1206 75 1%" RES_SM1206_YAGEORC_N 77.85,22.614 r90 bottom value=75 (schematic designator R87)
R87_S2 "RES 1206 75 1%" RES_SM1206_YAGEORC_N 9.6,64.911 r270 bottom value=75 (schematic designator R87)
R88_S1 "RES 1206 75 1%" RES_SM1206_YAGEORC_N 80.05,22.614 r90 bottom value=75 (schematic designator R88)